# Altium PCB DRS4-PCB.PcbDoc (part 13 of 15)
Units mil, origin at the board's own origin, x right, y up, seen from the top; angles counter-clockwise.
Board outline 12350 x 7411.06 mil, 12 copper layers (Top Layer, Ground Layer 2, Signal Layer 3, Signal Layer 4, Ground Layer 5, Power Layer 6, Ground Layer 7, Ground Layer 8, Power Layer 9, Power Layer 10, Ground Layer 11, Bottom Layer), stack 61.6 mil thick; 1411 components, 1117 nets, 4255 pads, 2550 vias.
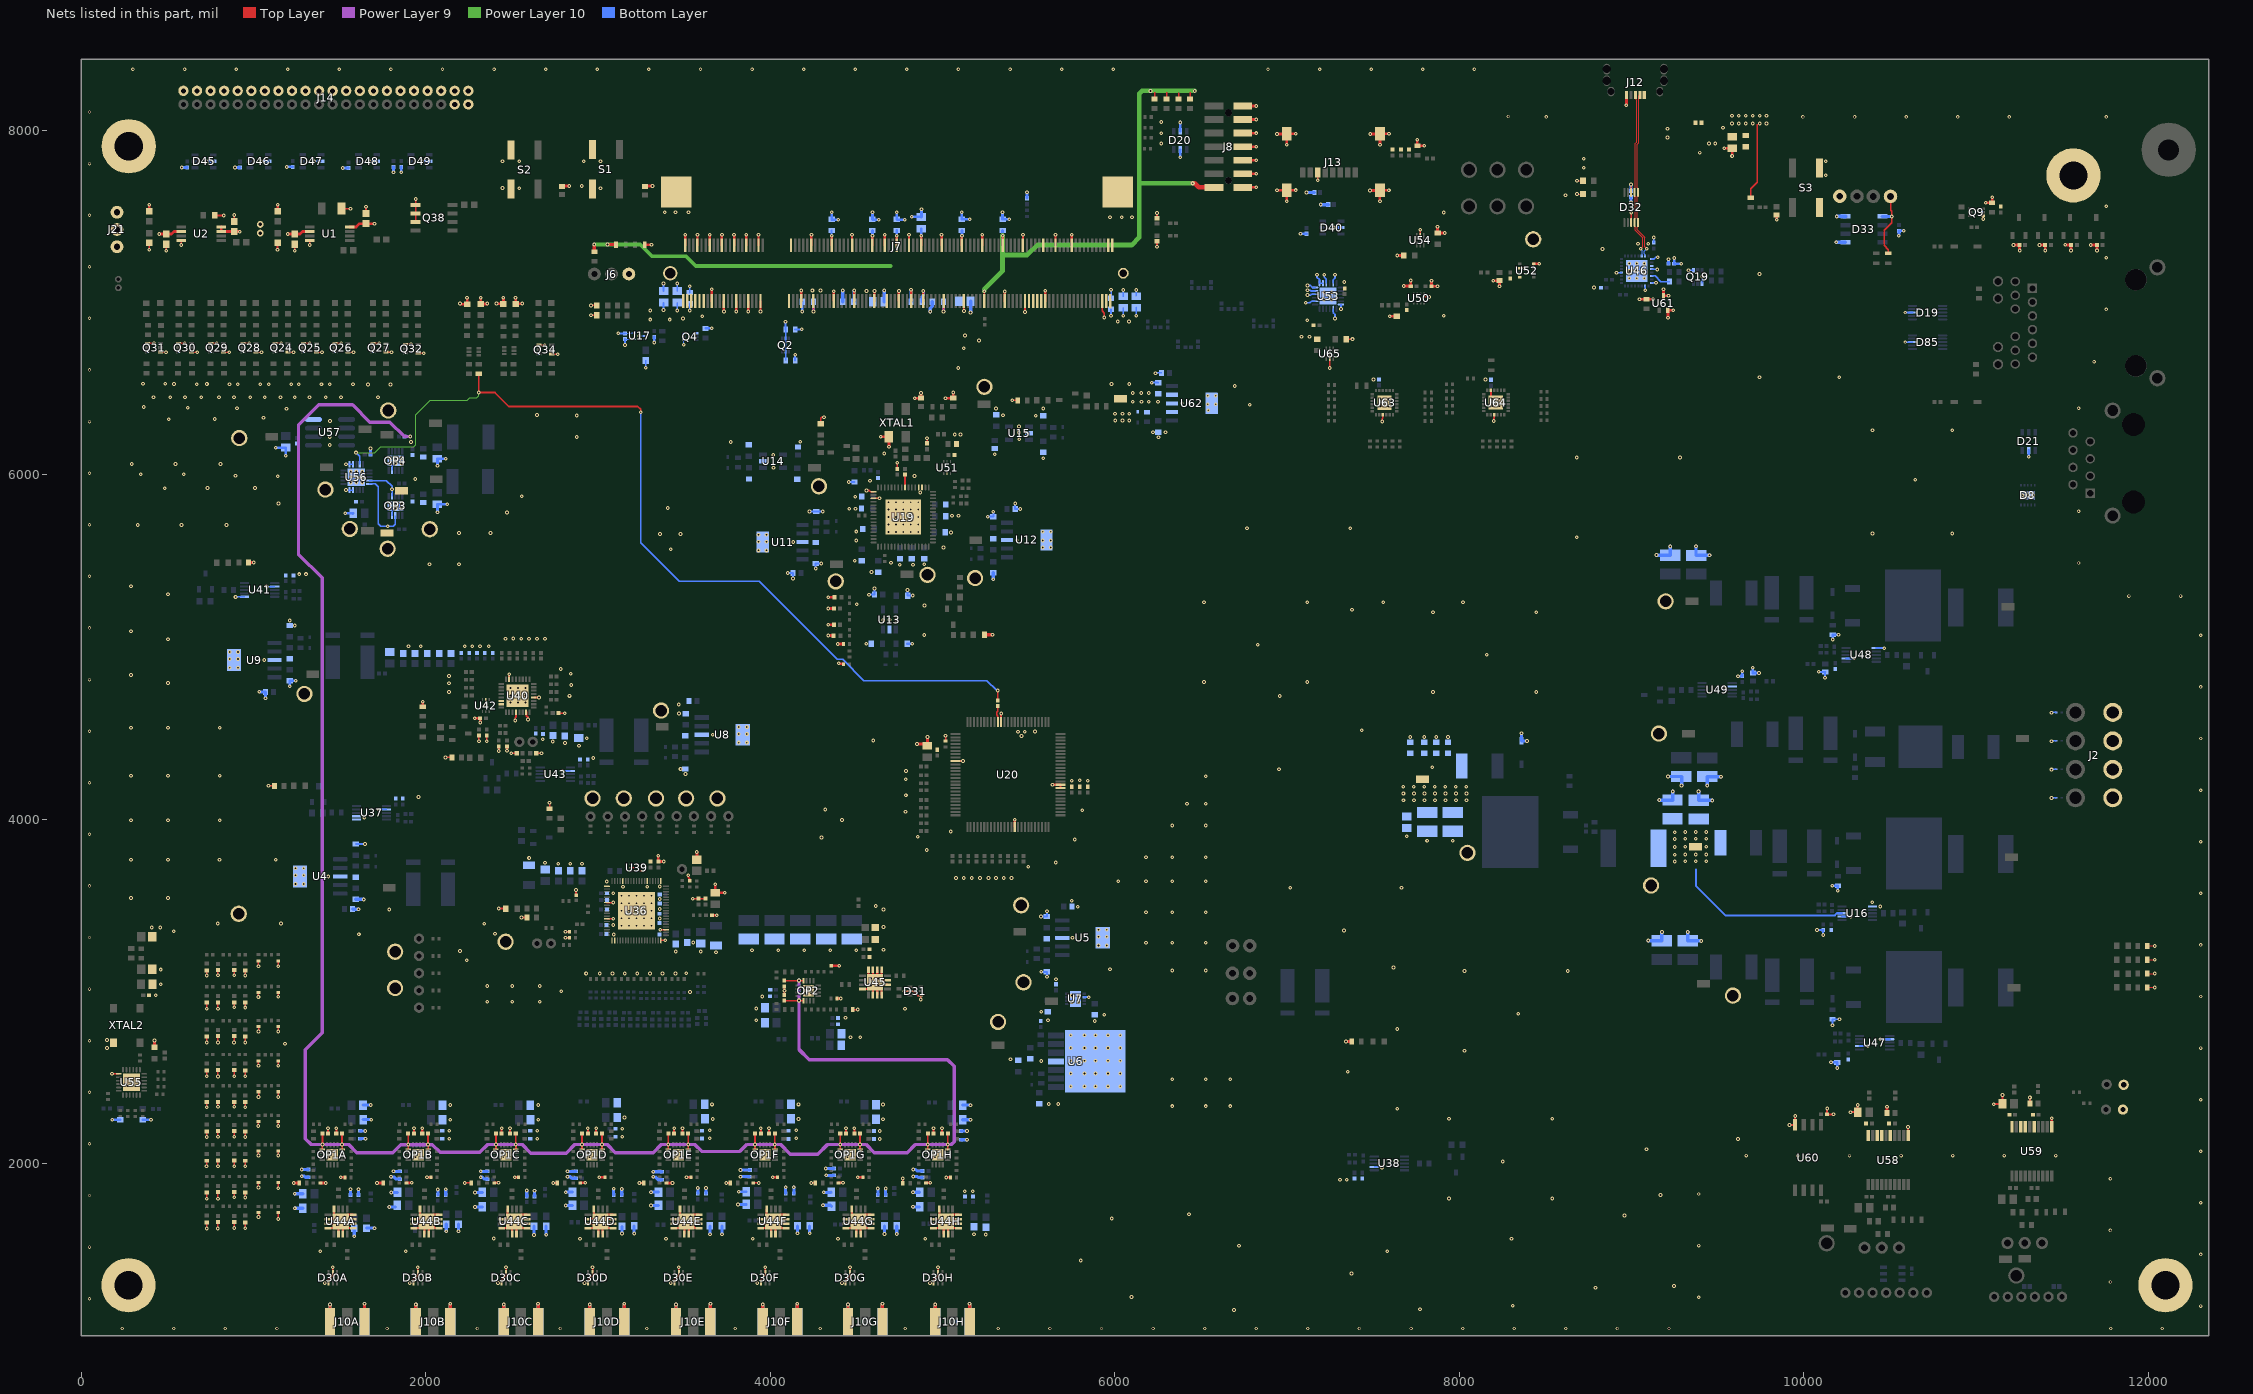
[diagram p23: the nets of this part, all layers, seen from the top]

## Via types
v1: diameter 21.65, hole 10, Top Layer to Bottom Layer, 2413 vias
v2: diameter 20, hole 10, Top Layer to Bottom Layer, 123 vias
v3: diameter 19, hole 8, Top Layer to Bottom Layer, 12 vias
v4: diameter 27.56, hole 10, Top Layer to Bottom Layer, 1 vias
v5: diameter 21.65, hole 10, Top Layer to Bottom Layer, tented top, 1 vias

## Nets (pads, with @x,y where several pads share a name; then routed paths per layer and width w, separated by ;. In a path a pad name is that pad's centre, name@x,y a point inside that pad or via, vN(x,y) a via of type N, cw(c..) or ccw(c..) an arc to the next point about the centre after c; other vN are vias at no path point) (continued)
TRB_GND: (continued)
  other v1: 6691.55,1150.99 7771.46,1154.57 8309.64,1176.1 6095.98,1226.33 8790.39,1280.14 9246.03,1290.55 1413.04,1307.07 1906.86,1307.07 2418.82,1307.07 2920.93,1307.07 3421.66,1307.07 3923.92,1307.07 4416.03,1307.07 4927.02,1307.07 7373.22,1362.66 5801.78,1438.01 1883.66,1491.14 1387.1,1491.94 7581.32,1491.83 6720.25,1524.12 8302.46,1563.58 2894.06,1564.81 3393.9,1564.82 3897.6,1564.81 4392.13,1564.8 4899.53,1564.82 2393.35,1566.2 5249.87,1589.04 5181.55,1589.9 727.52,1623.56 792.19,1623.57 887.13,1626.28 951.93,1625.69 1483.06,1643.46 1528.54,1643.46 1981.8,1643.46 2027.28,1643.46 2491.25,1643.46 2536.72,1643.46 2991.41,1643.46 3036.88,1643.46 3491.25,1643.46 3536.72,1643.46 3994.95,1643.46 4040.43,1643.46 4489.48,1643.46 4534.95,1643.46 4997,1643.46 5042.47,1643.46 5981.17,1681.98 1483.06,1694.56 1528.54,1694.56 1981.8,1694.56 2027.28,1694.56 2491.25,1694.56 2536.72,1694.56 2991.41,1694.56 3036.88,1694.56 3491.25,1694.56 3536.72,1694.56 3994.95,1694.56 4040.43,1694.56 4489.48,1694.56 4534.95,1694.56 4997,1694.56 5042.47,1694.56 8959.03,1699.92 6429.64,1707.09 1786.84,1748.82 792.85,1796.81 7939.75,1797.44 8538.92,1797.44 9167.12,1818.32 4310.28,1834.29 5128.28,1840.2 5174.83,1840.2 2585.83,1844.41 2631.1,1843.67 3432.28,1887.76 4421.1,1888.9 7346.12,1907.41 7306.39,1907.53 5020.34,1919.84 4012.9,1920.83 4507.7,1921.69 887.26,1985.71 951.75,1985.71 8251.42,2012.78 1142.58,2048.07 9086.61,2084.51 4634.13,2143.7 9617.99,2143.89 2135.39,2145.35 2646.11,2145.35 3648.28,2147.77 4149.97,2147.77 3140.43,2156.34 1648.66,2190.02 4634.13,2189.76 5141.22,2190.35 2135.39,2190.63 2646.11,2190.63 3648.28,2194.14 4149.97,2194.14 3140.43,2202.72 1142.58,2219.41 2140.98,2255.63 2651.7,2255.63 3664.82,2259.46 4654.17,2258.5 4162.65,2259.69 7939.75,2260.51 8538.92,2260.51 3153.11,2268.27 7639.41,2318.35 6333.07,2334.37 6527.99,2334.37 6670.31,2334.37 2140.98,2340.28 2651.7,2340.28 4654.17,2343.15 3660.95,2344.38 4162.65,2344.38 5616.46,2346.02 5671.06,2346.02 11311.88,2384.96 1142.58,2387.8 11153.17,2399.02 5743.03,2448.87 5823.08,2448.87 5887.83,2448.87 5959.57,2448.87 6030.65,2448.87 269.25,2450.65 312.55,2450.65 6333.07,2489.84 6527.99,2489.84 6670.31,2489.84 269.25,2493.96 312.55,2493.96 5743.03,2523.24 5823.08,2523.24 5887.83,2523.24 5959.57,2523.24 6030.65,2523.24 7351.91,2533.69 5571.66,2596.77 5743.03,2597.61 5823.08,2597.61 5887.83,2597.61 5959.57,2597.61 6030.65,2597.61 5393.47,2606.33 8029.51,2655.85 148.54,2671.3 5743.03,2671.98 5823.08,2671.98 5887.83,2671.98 5959.57,2671.98 6030.65,2671.98 1182.26,2696.92 792.85,2703.5 951.75,2703.9 148.54,2718.14 4464.41,2734.46 4521.04,2733.89 5743.03,2746.35 5823.08,2746.35 5887.83,2746.35 5959.57,2746.35 6030.65,2746.35 1142.58,2767.48 7639.41,2781.42 5883.7,2828.02 5611.31,2832.95 3917.32,2833.51 4436.46,2847.57 5937.92,2864.61 8341.19,2871.19 5572.52,2882.48 792.85,2898.94 4781.18,2899.7 3917.32,2901.52 5751.45,2937.12 5790.82,2937.12 2355.51,2940.16 2501.85,2940.16 2661.46,2940.16 4873.07,2952.82 3952.41,2971.25 5751.45,2976.49 5790.82,2976.49 430.98,2977.2 3533.64,2996.54 2785.16,3001.58 4081.36,3004.68 2355.51,3031.46 2501.85,3031.46 2661.46,3031.46 4584.37,3032.99 4627.13,3032.99 461.06,3042.17 5657.72,3070.38 4584.37,3075.31 4627.13,3075.2 2930.17,3104.84 3008.72,3104.84 3083.61,3104.84 3154.21,3104.84 3227.78,3104.84 3301.2,3104.84 3373.93,3104.84 3449.33,3104.84 3512.26,3106.19 5572.87,3114.17 8029.51,3118.92 8628.69,3118.92 6333.07,3121.46 6527.99,3121.46 461.06,3126.81 5971.33,3128.82 7617.19,3138.85 4400.08,3149.29 2237.56,3181.55 3684.76,3227.76 3595.91,3231.66 3450.75,3232.51 2197.49,3234.45 3893.66,3239.29 4044.92,3239.29 4196.14,3239.29 4347.4,3239.29 4498.62,3239.43 4656.06,3241.97 5905.09,3267.15 5951.94,3267.15 6180.35,3282.76 6333.07,3282.76 6527.99,3282.76 3551.69,3284.49 5753.6,3312.44 5905.09,3317.46 5951.94,3317.46 3090.21,3331.06 1611.03,3332.09 2401.67,3335.18 9325.33,3345.75 536.82,3349.21 7329.69,3354.19 5905.09,3358.24 5951.94,3358.24 408.02,3371.06 458.35,3371.06 4656.06,3374.38 3135.91,3382.18 3179.22,3382.18 3222.53,3382.18 3265.84,3382.18 3309.14,3382.18 3088.31,3386.06 2338.93,3392.94 791.89,3394.68 1158.78,3394.68 3357.56,3423.93 3135.91,3425.48 3179.22,3425.48 3222.53,3425.48 3265.84,3425.48 3309.14,3425.48 6180.35,3459.61 6333.07,3459.61 6527.99,3459.61 3135.91,3468.79 3179.22,3468.79 3222.53,3468.79 3265.84,3468.79 3309.14,3468.79 4656.06,3475.32 1788.01,3475.95 3357.56,3479.3 5784.27,3492.53 10443.27,3493.34 4612.31,3496.4 3135.91,3512.1 3179.22,3512.1 3222.53,3512.1 3265.84,3512.1 3309.14,3512.1 10397.27,3518.14 5750.13,3527.06 3357.56,3536.67 288.46,3542.48 502.91,3542.48 3135.91,3555.41 3179.22,3555.41 3222.53,3555.41 3265.84,3555.41 3309.14,3555.41 3088.31,3570.39 7018.01,3601.92 7663.63,3601.98 3143.78,3608.35 3284.76,3608.35 3358.15,3608.9 1243.39,3624.42 1290.26,3624.42 3049.77,3638.82 6019.58,3640.35 6180.35,3640.35 6333.07,3640.35 6527.99,3640.35 5077.84,3659.12 5123.12,3659.12 5168.83,3659.12 5216.9,3659.12 5265.7,3659.12 5309.46,3659.12 5354.73,3659.12 5400.01,3659.12 1433.74,3667.09 1243.39,3674.72 1290.26,3674.72 1243.39,3715.5 1290.26,3715.5 5496.66,3724.7 2769.13,3742.09 2838.03,3742.09 2906.93,3742.09 2692.13,3747.53 5656.46,3749.05 288.46,3764.86 502.91,3764.84 801.79,3764.84 1129.06,3764.84 2599.25,3774.28 6180.35,3778.78 6333.07,3778.78 6527.99,3778.78 4907.77,3820.98 7812.52,3875.28 7961.22,3875.28 5766.49,3881.62 4296.17,3893.95 4854.83,3897.55 7694.13,3901.45 5047.76,3928.45 6333.07,3963.15 6527.99,3963.15 288.46,3993.91 502.91,3993.91 803.46,3993.91 4415.15,3995.51 1642.76,4008.08 4784.3,4042.99 5810.25,4051.33 4317.86,4056.47 6418.73,4090.08 6527.99,4090.08 11436.7,4122.53 1957.2,4128.31 4786.57,4138.9 9238.76,4161.35 9388.3,4161.35 9289.96,4195.74 5749.96,4223.82 5842.87,4223.54 5795.24,4225.55 4785.2,4231.95 6527.99,4248.62 288.46,4252.9 502.91,4252.9 803.46,4252.9 3506.92,4262.06 4786.7,4279.8 11436.7,4287.88 6952.39,4289.93 3478.77,4291.42 7842.9,4301.11 2971.59,4355.26 2470.78,4396.94 2888.52,4426.31 2807.34,4442.94 3816.67,4444.63 3863.52,4444.63 2736.69,4451.26 11436.7,4453.23 4597.79,4457.03 2678.85,4464.16 2933.4,4469.68 7714.59,4476.64 7795.91,4476.62 7864.82,4476.62 7933.73,4476.62 5457.31,4482.42 3665.49,4490.31 3816.67,4494.94 3863.52,4494.94 5437.62,4508.27 5476.99,4507.8 5536.05,4508.57 7433.27,4516.86 288.46,4530.43 502.91,4530.43 803.46,4530.43 3816.67,4535.72 3863.52,4535.72 3469.92,4613.09 2348.81,4662.7 3467.95,4666.06 2491.65,4676.87 2534.29,4676.87 2577.8,4676.87 2833.51,4715.89 6957.67,4715.79 2491.65,4718.42 2534.29,4718.42 2577.8,4718.42 2133.86,4738.02 7846.94,4738.62 8446.11,4738.62 2491.65,4761.57 2534.29,4761.57 2577.8,4761.57 9535.53,4769.59 2843.36,4778.65 2133.86,4789.5 502.91,4791.12 6516.99,4797.03 7116.17,4797.03 2133.86,4830.91 288.46,4837.38 2483.5,4840.94 2841.53,4843.99 2782.88,4872.6 861.87,4879.86 908.72,4879.86 1060.97,4924.09 861.87,4930.17 908.72,4930.17 8158.61,4953.96 861.87,4970.95 908.72,4970.95 1899.36,5004.02 1970.8,5004.02 2226.15,5004.02 2269.12,5004.02 2314.05,5004.02 2364.57,5004.02 6828.67,5012.36 4390.91,5017.68 4556.77,5018 502.91,5044.83 2462.16,5048.14 2506.76,5048.43 2552.83,5048.14 2598.92,5048.14 2645.27,5048.14 2691.71,5048.14 4893.97,5069.46 5289.65,5070.08 288.46,5091.09 1238.14,5124.4 1209.99,5153.76 4654.92,5157.04 4691.42,5157.69 4729.22,5157.69 7846.94,5201.69 8446.11,5201.69 7376.51,5215.87 4895.09,5240.91 4500.81,5247.61 6516.99,5260.1 7116.17,5260.1 7557.88,5259.81 8020.95,5259.81 4336.06,5288.06 502.91,5306.11 4605,5339.43 288.46,5352.38 1265.25,5422.83 1303.75,5422.83 4586.73,5434.72 4750.95,5476.54 4827.49,5476.87 2021.42,5480.31 2191.69,5480.31 4892.48,5480.86 4700.74,5489 4489.82,5500.74 9144.85,5533.16 3930.8,5560.59 3977.65,5560.59 3420.85,5566.94 5005.57,5577.76 5580.56,5577.62 5627.41,5577.62 9373.26,5584.21 4132.69,5609.09 3930.8,5610.9 3977.65,5610.9 4498.46,5617.76 5580.56,5618.4 5627.41,5618.4 5430.97,5618.87 8681.43,5636.55 3930.8,5651.68 3977.65,5651.68 3358.86,5655.35 3477.76,5655.35 10398.72,5658.26 10861.79,5658.26 2191.69,5660.98 2374.46,5660.98 5048.1,5664.8 4685.34,5667.61 4728.65,5667.61 4771.96,5667.61 4815.27,5667.61 4858.57,5667.61 5580.56,5668.71 5627.41,5668.71 4498.46,5669.58 6766.85,5689.43 7366.02,5689.43 327.45,5708.43 581.16,5708.43 842.45,5708.43 4685.34,5710.92 4728.65,5710.92 4771.96,5710.92 4815.27,5710.92 4858.57,5710.92 4685.34,5754.22 4728.65,5754.22 4771.96,5754.22 4815.27,5754.22 4858.57,5754.22 5053.74,5761.93 5091.65,5762.44 2471.15,5780.37 4685.34,5797.53 4728.65,5797.53 4771.96,5797.53 4815.27,5797.53 4858.57,5797.53 4458.2,5802.28 4493.57,5802.28 1790.74,5803.51 1823.78,5803.51 1857.83,5803.51 3404.28,5806.63 1144.65,5833.06 1790.74,5834.72 1823.78,5834.72 1857.83,5834.72 4685.34,5840.84 4728.65,5840.84 4771.96,5840.84 4815.27,5840.84 4858.57,5840.84 4493.02,5872.51 2556.52,5875.09 11270.09,5880.89 11300.09,5880.89 11330.09,5880.89 4869.58,5896.13 483.23,5920.87 732.57,5922.23 1007.37,5923.06 1563.19,5954.47 1596.22,5954.47 1630.28,5954.47 4577.85,5965.08 10646.45,5969.93 1938.18,5975.56 1563.19,5987.29 1596.22,5987.29 1630.28,5987.29 1140.55,5991.34 4836.51,5992.34 895.26,5993.87 344.75,6002.01 593.5,6003.14 1563.19,6018.5 1596.22,6018.5 1630.28,6018.5 4018.05,6039.65 292.5,6061.89 546.22,6061.89 807.5,6061.89 1791.38,6065.31 1824.41,6065.31 1858.46,6065.31 5584.06,6095.48 1791.38,6096.52 1824.41,6096.52 1858.46,6096.52 8681.43,6099.62 9280.6,6099.62 4015.87,6114.28 5302.44,6118.24 4661.65,6123.05 1678.66,6152.07 1442.25,6171.78 3769.65,6189.31 1913.43,6189.94 4173.12,6191.87 5444.04,6205.07 6252.8,6217.99 1442.25,6218.63 2875.99,6219.26 5070.91,6233.74 5103.7,6233.74 5443.35,6244.56 6294.37,6246.38 6220.85,6247.09 10398.72,6257.43 10861.79,6257.43 1443.64,6265.28 5443.35,6279.26 1443.64,6312.13 507.36,6322.1 774.79,6323.41 1056.68,6330.64 5541.18,6342.44 2875.99,6344.13 5350.8,6345.59 2645.42,6347.13 6541.81,6373.38 1190.71,6382.54 5310.08,6384.37 5583.66,6384.37 902.92,6385.84 617.75,6389.12 362.79,6393.06 7543.5,6396.14 7586.81,6396.14 8189.96,6397.2 8233.27,6397.2 6783.54,6405.89 6538.86,6408.74 6585.71,6408.74 6388.67,6414.21 7543.5,6439.45 7586.81,6439.45 8233.27,6440.51 418.3,6449.88 516.33,6449.88 601.31,6449.88 695.17,6449.88 799.18,6449.88 886.06,6449.88 980.56,6449.88 1064.91,6449.88 1155.6,6449.88 1238.04,6449.88 1324.93,6449.88 1419.42,6449.88 1506.94,6449.88 1722.57,6449.88 6538.86,6459.06 6585.71,6459.06 6695.55,6514.89 1664.06,6523.44 1794.77,6523.03 538.32,6526.44 669.02,6525.65 728.6,6526.44 859.31,6525.66 907.61,6525.66 1038.32,6525.66 1087.61,6525.66 1218.32,6525.66 1262.61,6525.66 1393.32,6525.66 1442.11,6525.66 1577.45,6525.66 5980,6526.5 6082.52,6526.5 357.83,6527.69 486.55,6528.16 8151.36,6552.19 7501.67,6552.6 9742.13,6565.7 10205.21,6565.7 5090.47,6619.95 5121.85,6734.15 5210.98,6779.39 7083.13,6801.54 7130.2,6801.54 5130.26,6808.61 7116.59,6896.81 7909.46,6923.44 5478.19,6945 3730.28,6947.44 3801.14,6947.44 3872.01,6947.44 3942.87,6947.44 5123.9,6949.86 7215.79,7015.34 7259.09,7015.34 7215.79,7058.65 7259.09,7058.65 4368.03,7065.44 4557.94,7066.35 4604.25,7066.35 4745.98,7066.34 4887.68,7066.35 4179.09,7069.52 4243.77,7069.76 4291.02,7069.76 3659.45,7076.95 8780.81,7086.14 7332.17,7118.43 8985.75,7139.76 9029.06,7139.76 9072.36,7139.76 9409.33,7150.16 9742.13,7164.87 8985.75,7183.07 9029.06,7183.07 9072.36,7183.07 8375.02,7198.32 8985.75,7226.38 9029.06,7226.38 9072.36,7226.38 11252.32,7301.26 11551.17,7301.26 8831.09,7310.47 11665.37,7333.97 9036.5,7341.3 9096.09,7341.3 10187.33,7348.88 3505.91,7392.92 3576.77,7392.92 3647.64,7392.92 3718.5,7392.92 3789.33,7392.92 3860.2,7392.92 3931.06,7392.92 4238.15,7392.92 4474.33,7392.92 4663.31,7392.92 4805,7392.92 4993.98,7392.92 5230.16,7392.92 5466.38,7392.92 5655.35,7392.92 5749.8,7392.92 5971.47,7495.35 6039.04,7495.35 6098.75,7495.35 10189.95,7499.23 825.9,7505.22 7909.46,7522.61 3386.2,7524.25 3449.66,7524.25 3523.96,7524.25 4355.91,7524.37 4592.2,7524.37 4733.9,7524.37 5111.18,7524.37 8615.76,7622.14 2541.65,7662.76 3013.52,7662.76 2444.25,7663.77 2904.32,7675.57 7177.17,7708.66 10127.32,7737.86 8722.56,7782.64 2541.65,7819.22 3013.52,7819.22 10127.32,7819.3 2444.25,7819.52 2916.12,7819.52 8722.56,7834.64 9537.06,7894.65 6268.61,7922.48 6268.61,7982.98 6268.61,8048.02
  other v2: 236.65,1043.31 536.17,1043.31 835.7,1043.31 1135.23,1043.31 1774.61,1043.31 2299.18,1043.31 2781.29,1043.31 3282.13,1043.31 3796.72,1043.31 4288.86,1043.31 4782.16,1043.31 5323.06,1043.31 5622.59,1043.31 5922.11,1043.31 6221.64,1043.31 6521.17,1043.31 6820.7,1043.31 7120.22,1043.31 7419.75,1043.31 7719.28,1043.31 8018.81,1043.31 8318.34,1043.31 8617.86,1043.31 8917.39,1043.31 9216.92,1043.31 11780.56,1043.31 12080.09,1043.31 12303.15,1173.6 47.24,1216.49 9389.76,1225.05 11779.53,1313.23 12303.15,1473.13 47.24,1516.02 9389.76,1524.58 11779.53,1612.76 12303.15,1772.66 47.24,1815.55 9389.76,1824.11 11779.53,1912.29 9665.44,2047.24 9964.97,2047.24 10264.49,2047.24 10564.02,2047.24 10863.55,2047.24 11163.08,2047.24 11462.61,2047.24 12303.15,2072.19 47.24,2115.08 12303.15,2371.71 47.24,2414.6 12303.15,2671.24 47.24,2714.13 12303.15,2970.77 47.24,3013.66 12303.15,3270.3 47.24,3313.19 12303.15,3569.82 47.24,3612.72 12303.15,3869.35 47.24,3912.24 12303.15,4168.88 47.24,4211.77 12303.15,4468.41 47.24,4511.3 12303.15,4767.93 47.24,4810.83 12303.15,5067.46 47.24,5110.35 11887,5295.28 12186.52,5295.28 47.24,5409.88 11594.49,5487.47 47.24,5709.41 11594.49,5787 47.24,6008.94 47.24,6308.46 11594.49,6386.05 47.24,6607.99 11684.24,6655.82 47.24,6907.52 11755.91,6959.4 47.24,7207.05 11755.91,7258.93 47.24,7506.57 11755.91,7558.46 47.24,7806.1 9395.3,7870.08 8503.45,8076.85 9994.36,8076.85 10293.88,8076.85 10593.41,8076.85 10892.94,8076.85 11192.47,8076.85 11755.91,8076.85 8284.78,8079.35 47.24,8105.63 299.3,8354.57 598.82,8354.57 898.35,8354.57 1197.88,8354.57 1497.41,8354.57 1796.93,8354.57 2096.46,8354.57 2395.99,8354.57 2695.52,8354.57 2995.04,8354.57 3294.57,8354.57 3594.1,8354.57 3893.63,8354.57 4193.15,8354.57 4492.68,8354.57 4792.21,8354.57 5091.74,8354.57 5391.26,8354.57 5690.79,8354.57 5990.32,8354.57 6888.9,8354.57 7188.43,8354.57 7487.96,8354.57 7787.49,8354.57 8087.01,8354.57
TX_EXT: D33.1 J11.1 R190.1 | length 416.5
  Top Layer w7.87: R190.1@10489.99,7285.06 10489.99,7306.08 10465.17,7330.9 10465.17,7418.49 10509.36,7462.69 v1(10509.36,7499.04) 10509.36,7529.52 10502.75,7536.13 J11.1@10502.75,7615.48
  Bottom Layer w5: v1@10510.06,7499.23 v1@10510.26,7499.04
  Bottom Layer w19.68: D33.1@10455.6,7499.23 v1@10510.06,7499.23
TX_LED: R197.2 U46.22 | length 117.3
  Bottom Layer w7.87: U46.22@9116.65,7153.54 9137.33,7153.54 9170.29,7120.58 R197.2@9220.35,7120.58
USB_CPEN: J7.166
USB_DN: J7.161
USB_DP: J7.159
USB_ID: J7.165
USB_N: D32.1 D32.10 J12.2 U46.15 | length 976.9
  Top Layer w6.75: J12.2@9047.44,8204.72 9041.95,8199.24 9041.95,8178.04 9040.51,8176.6 9040.51,7926.47 9032.84,7918.79 9032.84,7665.04 9036.81,7661.07 D32.1@9036.81,7639.03 9036.81,7616.99 9032.84,7613.02 9032.84,7489.85 9036.81,7485.88 D32.10@9036.81,7463.84 9036.81,7441.8 9032.84,7437.83 9032.84,7422.73 9075.96,7379.61 9075.96,7333.14 9075.96,7322.87 v1(9087.8,7311.02)
  Bottom Layer w6.75: U46.15@9078.27,7270.67 9075.74,7273.2 9075.74,7282.59 9074.3,7284.03 9074.3,7297.96 9087.36,7311.02 v1(9087.8,7311.02)
USB_P: D32.2 D32.9 J12.3 U46.14 | length 975.3
  Top Layer w6.75: J12.3@9021.85,8204.72 9027.33,8199.24 9027.33,8178.04 9028.77,8176.6 9028.77,7931.34 9021.09,7923.66 9021.09,7665.04 9017.12,7661.07 D32.2@9017.12,7639.03 9017.12,7616.99 9021.09,7613.02 9021.09,7489.85 9017.12,7485.88 D32.9@9017.12,7463.84 9017.12,7441.8 9021.09,7437.83 9021.09,7417.86 9064.21,7374.74 9064.21,7338 9064.21,7322.87 v1(9052.37,7311.02)
  Bottom Layer w6.75: v1(9052.37,7311.02) 9052.37,7309.8 9062.55,7299.62 9062.55,7284.03 9061.12,7282.59 9061.12,7273.2 U46.14@9058.58,7270.67
USB_VBUS: J7.163
USB_VCC: C254.1 C255.2 C256.2 D34.2 D35.2 FB10.2 R193.2 U46.19 U61.2 | length 606.2
  Top Layer w5: v1(8682.28,7629.53) D35.2@8717.5,7629.53 ; v1(8682.28,7707.17) D34.2@8717.5,7707.17
  Top Layer w7.87: R193.2@9691.51,7608.3 9691.51,7659.11 9730.17,7697.77 9730.17,8034.03
  Top Layer w15.75: v1@9210.66,6919.26 9210.66,6955.46 9211.36,6954.77 v1(9241.98,6954.77)
  Bottom Layer w15.75: C256.2@9213.53,7225.04 v1(9213.53,7251.29)
  other v1: 9210.39,6911.06 9448.4,7922.39 9485.81,7922.39 9530.75,8013.92 9582.26,8038.94 9621.63,8038.53 9662.07,8038.94 9702.22,8038.94 9743.44,8038.53 9782.89,8038.53 9582.26,8083.21 9621.63,8083.21 9662.07,8083.21 9702.22,8083.21 9743.44,8083.21 9782.89,8083.21
V_CM: C205A.1 C205B.1 C205C.1 C205D.1 C205E.1 C205F.1 C205G.1 C205H.1 C208A.1 C208B.1 C208C.1 C208D.1 C208E.1 C208F.1 C208G.1 C208H.1 C228.1 C231.1 OP1A.4 OP1A.9 OP1B.4 OP1B.9 OP1C.4 OP1C.9 OP1D.4 OP1D.9 OP1E.4 OP1E.9 OP1F.4 OP1F.9 OP1G.4 OP1G.9 OP1H.4 OP1H.9 OP2.4 OP2.9 R270.2 | length 12568.9
  Top Layer w7.87: C231.1@4081.08,2947.25 v1(4165.54,2947.25) ; C228.1@4081.08,3063.25 v1(4165.54,3063.25) ; v1@4165.54,2946.38 OP2.9@4191.1,2946.38 ; v1@4165.54,3062.38 OP2.4@4191.1,3062.38
  Top Layer w9.84: OP1A.9@1398.41,2081.93 1398.41,2107.3 1399.47,2108.36 v1(1399.47,2111.42) 1399.47,2172.85 C205A.1@1398.82,2173.5 ; C208A.1@1513.27,2173.74 1513.54,2173.47 v1(1513.54,2111.42) 1513.54,2108.36 1514.41,2107.5 OP1A.4@1514.41,2081.93 ; OP1B.9@1897.16,2081.93 v1(1897.17,2111.42) ; v1(1897.17,2111.42) C205B.1@1897.17,2173.49 ; C208B.1@2012.29,2173.49 v1(2012.29,2111.42) 2013.16,2110.55 OP1B.4@2013.16,2081.93 ; OP1C.9@2406.61,2081.93 v1@2406.61,2107.3 ; v1@2406.61,2108.39 v1(2406.61,2111.42) C205C.1@2406.61,2173.49 ; v1@2521.74,2108.39 v1(2521.74,2111.42) C208C.1@2521.74,2173.49 ; OP1C.4@2522.61,2081.93 v1@2522.61,2107.5 ; OP1D.9@2906.76,2081.93 v1@2906.76,2107.3 ; v1@2906.77,2108.39 v1(2906.77,2111.42) C208D.1@2906.77,2173.49 ; v1@3021.9,2108.39 v1(3021.9,2111.42) C205D.1@3021.9,2173.49 ; OP1D.4@3022.76,2081.93 v1@3022.76,2107.5 ; OP1E.9@3407.67,2081.93 v1@3407.67,2107.3 ; v1@3407.68,2108.39 v1(3407.68,2111.42) C205E.1@3407.68,2173.49 ; v1@3522.8,2108.39 v1(3522.8,2111.42) C208E.1@3522.8,2173.49 ; OP1E.4@3523.67,2081.93 v1@3523.67,2107.5 ; OP1F.9@3910.74,2081.93 v1@3910.74,2107.3 ; v1@3910.75,2108.39 v1(3910.75,2111.42) C208F.1@3910.75,2173.49 ; v1@4025.87,2108.39 v1(4025.87,2111.42) C205F.1@4025.87,2173.49 ; OP1F.4@4026.74,2081.93 v1@4026.74,2107.5 ; OP1G.9@4404.68,2082.82 v1@4404.68,2108.19 ; v1@4405.55,2108.39 v1(4405.55,2111.42) C208G.1@4405.55,2173.49 ; OP1G.4@4520.68,2082.82 v1(4520.68,2111.42) C205G.1@4520.68,2173.49 ; OP1H.9@4913.06,2081.93 v1@4913.06,2107.5 ; v1@4913.94,2107.5 v1(4913.94,2111.42) C208H.1@4913.94,2172.6 ; OP1H.4@5029.06,2081.93 v1@5029.06,2107.5 ; v1@5029.94,2107.5 v1(5029.94,2111.42) C205H.1@5029.94,2172.6
  Power Layer 9 w19.68: v1(1908.98,6221.93) 1874.61,6221.93 1791.52,6305.03 1674.61,6305.03 1574.09,6405.55 1378.29,6405.55 1260.29,6287.55 1260.29,5539.21 1398.82,5400.69 1398.82,2760.3 1299.72,2661.2 1299.71,2145.44 1333.74,2111.42 v1(1399.47,2111.42) v1(1513.54,2111.42) 1552.36,2111.42 1599.14,2064.64 1808.58,2064.64 1854.95,2111.02 1897.17,2111.02 2012.29,2111.02 2037.7,2111.02 2082.49,2066.23 2312.78,2066.23 2357.97,2111.42 v1(2406.61,2111.42) v1(2521.74,2111.42) 2559.52,2111.42 2609.24,2061.7 2813.76,2061.7 2863.48,2111.42 v1(2906.77,2111.42) v1(3021.9,2111.42) 3052.67,2111.42 3099.92,2064.17 3320.07,2064.17 3367.32,2111.42 v1(3407.68,2111.42) v1(3522.8,2111.42) 3561.57,2111.42 3601.96,2071.03 3823.55,2071.03 3863.94,2111.42 v1(3910.75,2111.42) v1(4025.87,2111.42) 4059.45,2111.42 4115.85,2055.02 4275.21,2055.02 4331.6,2111.42 v1(4405.55,2111.42) v1(4520.68,2111.42) 4555.28,2111.42 4603.11,2063.58 4794.32,2063.58 4842.16,2111.42 v1(4913.94,2111.42) v1(5029.94,2111.42) 5050.97,2111.42 5066.71,2127.16 5066.71,2566.08 5028.13,2604.65 4224.5,2604.65 4166.11,2663.05 4166.11,2947.25 v1@4166.11,3067.09
  Bottom Layer w7.87: R270.2@1876.68,6221.93 v1(1908.98,6221.93)
VBUS: C250.2 D32.3 FB10.1 J12.1 | length 85.1
  Top Layer w7.87: D32.3@8996.85,7639.62 v1@8996.85,7684.74
  Top Layer w15.75: v1(8996.26,7685.32) v1@8996.85,7684.74
  Bottom Layer w15.75: v1(8996.26,7685.32) 8996.77,7684.81 C250.2@8996.77,7646.36
  other v1: 9208.35,7957.42 9207.68,8008.08
VCAL_RESET: R98.1 R318.1 U56.14 | length 5395.1
  Top Layer w7.87: R98.1@5319.89,4689.49 v1(5319.88,4747.62)